# Altium PCB HTBLEBMSALL24S100A_PCB_V0.2_260323.pcbdoc (part 5 of 7) (continued)
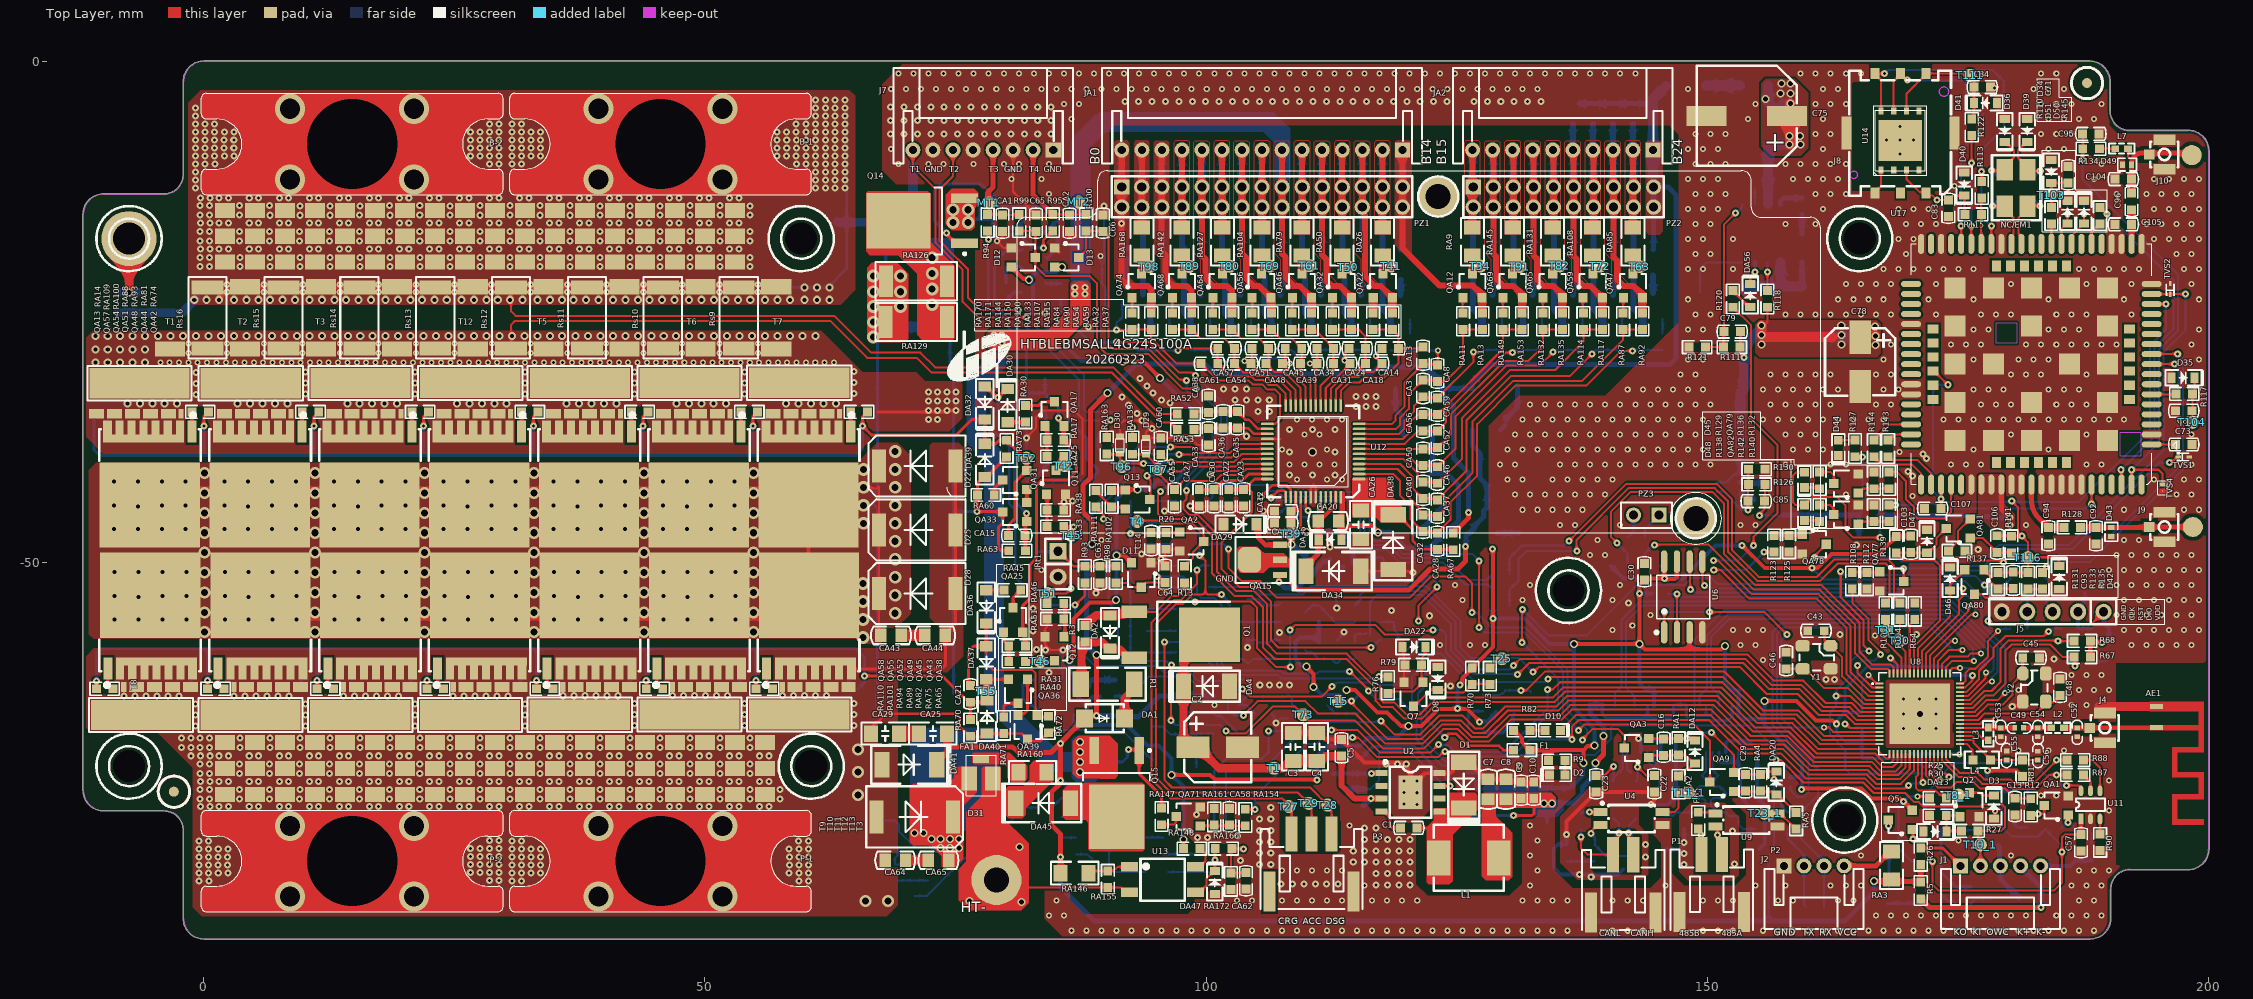
[diagram p0: Top Layer view]
## Nets (pads, with @x,y where several pads share a name; then routed paths per layer and width w, separated by ;. In a path a pad name is that pad's centre, name@x,y a point inside that pad or via, vN(x,y) a via of type N, cw(c..) or ccw(c..) an arc to the next point about the centre after c; other vN are vias at no path point) (continued)
  Bottom Layer w0.2: R14.2@94.096,-45.994 96.952,-45.994 DA7.2@96.991,-45.954
NetDA8_2: DA8.2 R18.2 | length 2.9
  Bottom Layer w0.2: R18.2@94.096,-50.319 96.952,-50.319 DA8.2@96.991,-50.279
NetDA9_2: DA9.2 R22.2 | length 2.9
  Bottom Layer w0.2: R22.2@94.096,-48.156 96.952,-48.156 DA9.2@96.991,-48.116
NetDA10_2: DA10.2 R23.2 | length 2.9
  Bottom Layer w0.2: R23.2@94.096,-52.482 96.952,-52.482 DA10.2@96.991,-52.442
NetDA11_2: DA11.2 R24.2 | length 2.9
  Bottom Layer w0.2: R24.2@94.096,-54.644 96.952,-54.644 DA11.2@96.991,-54.604
NetDA13_2: DA13.2 Q2.1 R27.2 R30.1 | length 4.5
  Top Layer w0.2: Q2.1@175.192,-75.345 175.089,-75.241 R30.1@173.836,-75.241 173.836,-76.805 DA13.2@173.856,-76.825 173.923,-76.759 R27.2@175.341,-76.759
NetDA14_1: DA14.1 R37.2 | length 1.6
  Bottom Layer w0.2: R37.2@181.943,-72.595 181.943,-74.148 DA14.1@181.945,-74.15
NetDA14_2: DA14.2 QA5.3 | length 2
  Bottom Layer w0.2: QA5.3@180.279,-75.727 180.304,-75.727 181.012,-76.436 DA14.2@181.945,-76.436
NetDA15_1: DA15.1 R39.1 R45.2 | length 7.9
  Bottom Layer w0.3: DA15.1@173.297,-76.573 173.297,-80.863 R45.2@174.765,-82.331 R39.1@176.31,-82.331
NetDA15_2: DA15.2 R38.1 | length 2
  Bottom Layer w0.3: DA15.2@173.297,-74.287 173.399,-74.287 174.053,-74.941 R38.1@174.998,-74.941
NetDA17_2: DA17.2 R42.2 | length 5.2
  Bottom Layer w0.3: R42.2@82.874,-61.687 82.173,-61.687 81.734,-62.126 81.734,-63.582 82.404,-64.252 82.686,-64.252 83.468,-65.035 DA17.2@83.468,-65.162
NetDA18_2: DA18.2 Q4.1 R43.1 R52.2 | length 6.1
  Bottom Layer w0.2: R43.1@104.84,-63.389 106.44,-63.389 107.964,-63.389 DA18.2@108.142,-63.211 108.244,-63.211 108.55,-63.518 108.55,-64.102 109.666,-65.218 Q4.1@109.691,-65.218
NetDA19_1: DA19.1 Q5.3 | length 1.3
  Top Layer w0.3: Q5.3@168.047,-75.652 168.08,-75.684 v1(168.08,-76.26)
  Bottom Layer w0.3: v1(168.08,-76.26) 168.08,-76.871 DA19.1@168.119,-76.911
NetDA19_2: DA19.2 R56.1 | length 3.1
  Bottom Layer w0.3: DA19.2@168.119,-79.197 168.127,-79.204 R56.1@168.127,-82.331
NetDA21_2: DA21.2 Q6.1 R75.2 R78.2 | length 5.4
  Bottom Layer w0.2: R75.2@102.427,-59.587 103.679,-59.587 104.078,-59.986 104.18,-59.986 104.281,-59.986 104.68,-59.587 R78.2@105.79,-59.587 107.377,-59.587 Q6.1@107.441,-59.65
NetDA22_2: DA22.2 Q7.1 R76.2 R79.2 | length 7.7
  Top Layer w0.2: R76.2@118.134,-63.056 118.317,-62.874 120.682,-62.874 121.25,-62.306 121.275,-62.306 121.625,-61.956 Q7.1@121.625,-61.931 121.497,-61.804 R79.2@121.497,-60.191 121.556,-60.133 121.556,-59.439 121.878,-59.117 DA22.2@121.878,-58.413
NetDA23_2: DA23.2 Q8.1 R77.2 R80.2 | length 5.1
  Bottom Layer w0.2: R77.2@102.361,-55.904 DA23.2@104.139,-55.904 R80.2@105.79,-55.904 Q8.1@107.441,-55.904
NetDA24_2: DA24.2 RA6.2 | length 1.5
  Bottom Layer w0.3: RA6.2@89.244,-38.65 DA24.2@89.244,-37.151
NetDA25_2: DA25.2 RA8.1 | length 4.8
  Bottom Layer w0.5: RA8.1@129.376,-36.745 RA8.1@129.825,-36.296 ; RA8.1@129.825,-35.712 131.053,-34.484 131.053,-32.602 131.053,-32.325 131.081,-32.353 DA25.2@131.081,-32.602
NetDA28_2: DA28.2 QA11.1 RA12.1 | length 4.4
  Bottom Layer w0.3: DA28.2@82.054,-41.921 82.412,-41.563 82.826,-41.563 83.895,-40.493 84.19,-40.199 84.19,-38.891 QA11.1@84.012,-38.713
NetDA30_1: DA30.1 RA30.1 | length 1.8
  Top Layer w0.3: DA30.1@80.202,-35.983 RA30.1@81.98,-35.983
NetDA31_2: DA31.2 RA43.1 | length 4.9
  Bottom Layer w0.5: DA31.2@118.886,-32.602 118.886,-34.662 119.553,-35.329 119.553,-37.107 RA43.1@119.648,-37.202
NetDA36_1: DA36.1 RA45.1 | length 1.8
  Top Layer w0.3: RA45.1@79.849,-52.746 DA36.1@78.077,-52.746 ; DA36.1@78.077,-52.746 DA36.1@78.067,-52.757 DA36.1@78.077,-52.747
NetDA42_2: DA42.2 Q14.1 RA118.1 RA125.2 | length 24.6
  Top Layer w0.3: v1(74.099,-17.096) 74.175,-17.172 74.175,-17.294 75.037,-18.156 Q14.1@75.912,-18.156
  Bottom Layer w0.3: v1(74.099,-17.096) 74.082,-17.096 72.917,-15.931 72.917,-12.876 73.576,-12.217 77.587,-12.217 79.819,-14.45 80.284,-14.45 ; RA125.2@80.357,-15.627 80.357,-14.523 80.284,-14.45 ; RA118.1@83.629,-17.363 84.795,-16.197 84.808,-16.197 85.166,-15.839 DA42.2@85.166,-15.712 85.166,-15.585 84.384,-14.803 84.384,-14.801 84.033,-14.45 80.284,-14.45
NetDA44_2: DA44.2 RA151.2 | length 3.3
  Bottom Layer w0.2: RA151.2@88.64,-73.605 89.443,-74.408 89.443,-74.923 89.783,-75.264 DA44.2@90.507,-75.264 DA44.2@90.201,-74.957
NetDA45_1: DA45.1 Q15.2
NetDA45_2: DA45.2 RA160.1
NetDA46_2: DA46.2 QA70.1 RA157.2 | length 3
  Bottom Layer w0.2: DA46.2@69.237,-81.761 69.3,-81.697 QA70.1@72.252,-81.697
NetDA48_2: DA48.2 QA70.2 RA165.1 RA169.2 | length 5.2
  Bottom Layer w0.2: DA48.2@69.237,-78.479 69.237,-79.211 68.948,-79.5 68.948,-80.087 RA169.2@68.965,-80.105 70.809,-80.105 RA165.1@70.913,-80 72.043,-80 QA70.2@72.252,-79.792
NetDA49_1: DA49.1 RA167.1 | length 1.8
  Bottom Layer w0.2: RA167.1@87.009,-79.091 88.157,-79.091 88.579,-79.513 DA49.1@88.68,-79.513
NetDA49_2: DA49.2 DA50.2 QA76.3 | length 8.5
  Bottom Layer w0.2: DA49.2@88.68,-77.227 89.986,-77.227 90.309,-77.549 90.309,-80.486 90.674,-80.852 DA50.2@93.913,-80.852
NetDA56_1: DA56.1 R120.2 | length 2.9
  Top Layer w0.25: R120.2@152.228,-22.547 152.867,-23.186 152.875,-23.186 153.906,-24.217 154.187,-24.498 DA56.1@154.289,-24.498
NetF2_2: F2.2 R39.2 | length 2.2
  Bottom Layer w0.3: R39.2@176.292,-83.981 R39.2@176.31,-83.982 176.604,-83.687 176.604,-83.669 176.819,-83.455 F2.2@178.313,-83.455
NetFA1_2: FA1.2 RA160.2 | length 4.4
  Top Layer w0.6: FA1.2@77.551,-69.58 80.076,-69.58 81.287,-70.791 RA160.2@81.287,-70.918
NetL3_2: L3.2 U8.36 | length 3.2
  Top Layer w0.2: U8.36@175.194,-66.877 176.798,-66.877 177.529,-67.608 177.918,-67.608 L3.2@178.029,-67.719
NetL4_2: L4.2 U8.33 | length 2.1
  Top Layer w0.2: U8.33@175.194,-68.077 175.872,-68.077 176.438,-68.642 L4.2@176.438,-69.277
NetL7_2: L7.2 R134.2 | length 1.6
  Top Layer w0.2: R134.2@189.106,-8.704 L7.2@190.7,-8.704
NetLight: R132.1 U17.52 | length 12.3
  Top Layer w0.2: R132.1@168.14,-40.973 168.933,-40.973 169.81,-41.85 169.81,-43.65 170.634,-44.474 170.634,-45.293 170.93,-45.589 173.66,-45.589 174.326,-44.924 U17.52@174.326,-42.568
NetQ3_1: Q3.1 R33.1 R37.1 | length 2.8
  Bottom Layer w0.2: Q3.1@179.177,-70.836 180.343,-70.836 R33.1@180.45,-70.944 R37.1@181.943,-70.944
NetQ4_3: Q4.3 R35.1 R41.2 | length 3.4
  Bottom Layer w0.2: Q4.3@112.104,-64.265 112.129,-64.265 112.917,-65.053 113.501,-65.053 R41.2@115.152,-65.053
NetQ5_1: Q5.1 R49.1 R54.2 | length 4.2
  Top Layer w0.2: Q5.1@170.29,-76.854 170.421,-76.854 170.52,-76.954 v1(170.52,-77.579)
  Bottom Layer w0.2: v1(170.52,-77.579) 170.508,-77.567 170.508,-77.072 170.36,-76.924 R49.1@170.015,-76.579 171.572,-76.579 R54.2@171.584,-76.592 R54.2@171.24,-76.247
NetQ9_1: Q9.1 Q10.3 RA23.2 T38.1 | length 14.1
  Top Layer w0.2: v1(121.18,-55.817) 121.18,-54.288 123.027,-52.442 v1(123.027,-52.424)
  Bottom Layer w0.2: Q9.1@116.041,-49.483 117.622,-49.483 RA23.2@117.622,-49.724 ; RA23.2@117.591,-49.724 119.77,-51.903 121.572,-51.903 122.145,-51.33 T38.1@122.342,-51.33 122.985,-51.973 122.985,-52.383 v1(123.027,-52.424) ; Q10.3@121.172,-54.951 121.18,-54.959 v1(121.18,-55.817)
NetQ9_3: Q9.3 RA18.1 | length 1.7
  Bottom Layer w0.54: RA18.1@112.333,-51.324 112.507,-51.15 112.889,-51.15 113.603,-50.435 Q9.3@113.628,-50.435
NetQ10_1: Q10.1 RA29.1 RA34.2 | length 3.5
  Bottom Layer w0.2: RA34.2@117.439,-55.904 Q10.1@118.759,-55.904 118.759,-56.714 119.146,-57.1 119.146,-57.903 RA29.1@119.113,-57.936
NetQ11_1: Q11.1 RA33.2 RA38.1 | length 3.3
  Top Layer w0.3: Q11.1@83.936,-43.183 84.139,-43.387 RA38.1@84.139,-44.746 RA33.2@84.139,-46.397
NetQ11_3: Q11.3 RA25.1 T42.1 | length 1.7
  Top Layer w0.3: Q11.3@84.888,-40.77 85.096,-40.562 85.096,-40.105 RA25.1@85.79,-39.412
NetQ12_1: Q12.1 RA46.1 RA51.1 | length 3.3
  Top Layer w0.3: Q12.1@85.827,-57.38 85.917,-57.289 85.917,-55.602 RA46.1@85.917,-54.078
NetQ12_3: Q12.3 RA40.1 T46.1 | length 2.8
  Top Layer w0.3: RA40.1@82.11,-59.843 84.824,-59.843 Q12.3@84.874,-59.793
NetQ13_2: Q13.2 RA102.1 RA111.2 | length 3.8
  Top Layer w0.2: RA111.2@89.013,-42.797 89.358,-43.142 89.358,-43.236 RA102.1@90.57,-44.448 91.756,-44.448 Q13.2@91.947,-44.639
NetQ14_2: Q14.2 RA121.2 RA122.2 RA126.2 RA129.2 | length 6.2
  Top Layer w0.3: RA126.2@74.131,-20.946 74.233,-20.946 RA129.2@74.233,-25.442
  Bottom Layer w0.3: RA122.2@73.867,-20.734 74.233,-21.1 RA121.2@74.233,-22.216
  other v6: 72.666,-24.255 72.666,-22.698 72.666,-21.141 72.666,-19.584
NetQ16_1: Q16.1 RA156.2 RA167.2 | length 7.7
  Bottom Layer w0.2: RA167.2@87.009,-77.44 85.747,-77.44 84.508,-76.201 84.508,-74.539 85.181,-73.865 85.181,-73.84 85.531,-73.49 Q16.1@85.556,-73.49 86.897,-73.49 RA156.2@87.019,-73.612
NetQ16_2: Q16.2 RA151.1 RA156.1 | length 3.3
  Bottom Layer w0.2: Q16.2@85.556,-75.395 88.5,-75.395 RA151.1@88.64,-75.256 ; RA156.1@86.887,-75.395 RA156.1@87.019,-75.263
NetQ16_3: Q16.3 QA70.3 RA157.1 | length 17
  Bottom Layer w0.2: RA157.1@70.913,-83.236 72.148,-83.236 74.64,-80.745 QA70.3@74.665,-80.745 74.69,-80.745 76.174,-79.261 76.174,-77.349 76.55,-76.973 79.321,-76.973 81.851,-74.443 Q16.3@83.143,-74.443
NetQA1_3: QA1.3 R6.2 R12.1 | length 2.9
  Top Layer w0.2: R12.1@182.263,-75.103 v1@182.994,-75.103 ; v1(182.994,-75.056) 183.497,-75.056 183.614,-74.939 QA1.3@183.614,-74.211
  Bottom Layer w0.2: v1(182.994,-75.056) 183.613,-75.056 R6.2@183.729,-74.941
NetQA2_3: QA2.3 R13.1 T4.1 | length 11.2
  Top Layer w0.2: T4.1@93.128,-45.893 93.222,-45.799 95.271,-45.799 95.544,-46.072 98.618,-46.072 99.76,-47.214 QA2.3@99.76,-47.895 ; R13.1@97.855,-50.359 98.693,-49.52 98.693,-48.937 QA2.3@99.735,-47.895
NetQA5_1: QA5.1 R38.2 R44.2 | length 2.9
  Bottom Layer w0.2: R38.2@174.998,-76.592 175.086,-76.68 QA5.1@177.866,-76.68
NetQA6_3: QA6.3 R40.1 | length 1.9
  Bottom Layer w0.2: QA6.3@103.164,-67.987 104.078,-67.987 R40.1@104.764,-68.672
NetQA7_1: QA7.1 R42.1 R51.2 | length 2.8
  Bottom Layer w0.3: R42.1@82.874,-63.435 84.309,-63.435 85.648,-63.435 QA7.1@85.668,-63.455
NetQA7_3: QA7.3 R34.1 R36.2 | length 3.3
  Bottom Layer w0.5: QA7.3@88.081,-62.503 88.106,-62.503 88.306,-62.303 88.306,-61.98 88.599,-61.687 R36.2@90.895,-61.687
NetQA8_1: QA8.1 R55.2 R56.2 | length 2.8
  Bottom Layer w0.3: R56.2@167.917,-83.982 QA8.1@170.719,-83.982
NetQA8_3: QA8.3 R45.1 | length 1.8
  Bottom Layer w0.3: QA8.3@173.342,-83.054 173.367,-83.054 173.667,-83.354 173.667,-83.379 174.055,-83.767 174.55,-83.767 R45.1@174.765,-83.982
NetQA10_1: QA10.1 QA11.2 | length 1.9
  Bottom Layer w0.3: QA10.1@83.877,-34.987 84.012,-35.121 QA11.2@84.012,-36.808
NetQA10_3: QA10.3 RA6.1 RA10.2 RA12.2 | length 13.3
  Bottom Layer w0.3: RA12.2@84.19,-41.85 86.374,-41.85 88.36,-41.85 88.733,-41.477 88.733,-41.388 89.154,-40.967 RA6.1@89.243,-40.967 ; QA10.3@86.29,-34.034 86.29,-35.797 88.051,-37.557 88.051,-39.577 RA6.1@89.155,-40.682
NetQA11_3: QA11.3 RA10.1 | length 2.4
  Bottom Layer w0.3: QA11.3@86.29,-37.761 86.374,-37.844 RA10.1@86.374,-40.174
NetQA12_1: QA12.1 RA11.1 | length 1.5
  Top Layer w0.2: QA12.1@125.598,-23.564 125.598,-25.072 RA11.1@125.638,-25.074
NetQA12_3: QA12.3 RA9.2 T34.1 | length 1.8
  Top Layer w0.6: QA12.3@126.558,-21.143 RA9.2@126.558,-19.365
NetQA13_1: QA13.1 RA14.1 | length 2
  Top Layer w0.3: RA14.1@-1.177,-34.951 -1.177,-36.929 QA13.1@-1.171,-36.935
NetQA14_1: QA14.1 RA15.2 | length 2.1
  Bottom Layer w0.3: RA15.2@-1.29,-62.576 -1.29,-60.738 QA14.1@-1.111,-60.559
NetQA15_1: QA15.1 RA18.2 RA24.1 | length 7.2
  Top Layer w0.2: QA15.1@107.228,-51.225 107.256,-51.254 v1(107.256,-51.934)
  Bottom Layer w0.5: v1(107.256,-51.934) 107.866,-52.543 109.082,-52.543 110.225,-51.4 111.757,-49.868 112.138,-49.868 RA18.2@112.333,-49.673
NetQA16_1: QA16.1 RA19.1 | length 1.4
  Bottom Layer w0.2: RA19.1@120.343,-27.121 QA16.1@120.343,-25.716
NetQA16_3: QA16.3 RA16.2 T36.1 | length 1.5
  Bottom Layer w0.6: QA16.3@119.401,-23.293 119.401,-21.79 RA16.2@119.432,-21.821
NetQA17_1: QA17.1 RA17.1 RA25.2 | length 3.1
  Top Layer w0.3: QA17.1@83.936,-36.364 84.139,-36.567 RA17.1@84.139,-37.761 RA25.2@84.139,-39.412
NetQA17_3: QA17.3 RA30.2 | length 3.1
  Top Layer w0.3: RA30.2@81.98,-34.332 83.256,-34.332 83.637,-33.951 QA17.3@84.888,-33.951
NetQA18_1: QA18.1 RA20.1 | length 2.1
  Bottom Layer w0.3: QA18.1@-9.621,-36.935 -9.473,-36.787 -9.473,-35.116 RA20.1@-9.308,-34.951
NetQA19_1: QA19.1 RA21.2 | length 1.8
  Bottom Layer w0.3: RA21.2@9.7,-62.576 QA19.1@9.7,-60.738
NetQA20_1: QA20.1 RA27.1 | length 2.3
  Bottom Layer w0.3: QA20.1@1.369,-36.935 1.504,-36.8 1.504,-35.572 RA27.1@2.125,-34.951
NetQA21_1: QA21.1 RA28.2 | length 1.8
  Bottom Layer w0.3: RA28.2@20.645,-62.576 QA21.1@20.645,-60.738
NetQA22_1: QA22.1 RA32.1 | length 1.5
  Top Layer w0.5: RA32.1@116.66,-25.088 116.665,-25.083 116.665,-23.582 QA22.1@116.67,-23.577
NetQA22_3: QA22.3 RA26.2 T41.1 | length 1.8
  Top Layer w0.6: RA26.2@117.6,-19.373 117.611,-19.385 117.611,-21.152 QA22.3@117.623,-21.164
NetQA23_1: QA23.1 RA35.1 | length 2.1
  Bottom Layer w0.3: QA23.1@12.381,-36.867 12.381,-35.639 RA35.1@13.002,-35.019
NetQA24_1: QA24.1 RA36.2 | length 1.8
  Bottom Layer w0.3: RA36.2@31.59,-62.576 QA24.1@31.59,-60.738
NetQA25_1: QA25.1 RA31.1 RA40.2 | length 3.1
  Top Layer w0.3: QA25.1@79.798,-56.922 79.826,-56.95 79.826,-57.839 RA31.1@80.306,-58.319 RA40.2@80.306,-59.843
NetQA25_3: QA25.3 RA45.2 | length 2.1
  Top Layer w0.3: QA25.3@80.751,-54.509 80.751,-53.495 RA45.2@81.5,-52.746
NetQA26_1: QA26.1 RA44.1 | length 1.4
  Bottom Layer w0.2: RA44.1@116.367,-27.121 QA26.1@116.367,-25.716
NetQA26_3: QA26.3 RA39.2 T44.1 | length 1.7
  Bottom Layer w0.6: QA26.3@115.444,-23.309 115.452,-23.301 115.452,-21.581 RA39.2@115.444,-21.573
NetQA27_1: QA27.1 RA41.1 | length 2.1
  Bottom Layer w0.3: QA27.1@23.327,-36.867 23.327,-35.639 RA41.1@23.947,-35.019
NetQA28_1: QA28.1 RA42.2 | length 1.8
  Bottom Layer w0.3: RA42.2@42.535,-62.576 QA28.1@42.535,-60.738
NetQA29_1: QA29.1 RA48.1 | length 2.1
  Bottom Layer w0.3: QA29.1@34.271,-36.867 34.271,-35.639 RA48.1@34.892,-35.019
NetQA30_1: QA30.1 RA49.2 | length 1.8
  Bottom Layer w0.3: RA49.2@53.48,-62.576 QA30.1@53.48,-60.738
NetQA31_1: QA31.1 QA33.2 | length 1.3
  Top Layer w0.3: QA33.2@82.107,-43.984 QA31.1@82.107,-42.714
NetQA31_3: QA31.3 RA60.2 | length 1.8
  Top Layer w0.3: RA60.2@78.856,-43.247 78.902,-43.201 78.902,-42.528 79.369,-42.061 79.394,-42.061 QA31.3@79.694,-41.761
NetQA32_1: QA32.1 RA54.1 | length 1.5
  Top Layer w0.2: RA54.1@112.597,-25.087 QA32.1@112.597,-23.578
NetQA32_3: QA32.3 RA50.2 T50.1 | length 1.8
  Top Layer w0.6: QA32.3@113.557,-21.158 RA50.2@113.557,-19.38
NetQA34_1: QA34.1 RA55.1 | length 2.1
  Bottom Layer w0.3: QA34.1@45.216,-36.867 45.216,-35.639 RA55.1@45.837,-35.019
NetQA35_1: QA35.1 RA56.2 | length 2.4
  Bottom Layer w0.3: RA56.2@63.623,-62.576 64.342,-61.857 64.342,-60.82 QA35.1@64.604,-60.559
NetQA36_1: QA36.1 QA39.2 | length 4.3
  Top Layer w0.3: QA39.2@81.213,-65.207 81.35,-65.07 81.822,-65.07 82.173,-64.72 QA36.1@82.173,-61.621
NetQA36_3: QA36.3 RA71.1 | length 2.6
  Top Layer w0.2: RA71.1@79.811,-65.398 79.819,-65.39 79.819,-64.331
  Top Layer w0.3: 79.819,-64.331 80.116,-64.034 QA36.3@81.221,-64.034
NetQA37_1: QA37.1 RA64.1 | length 2.1
  Bottom Layer w0.3: QA37.1@56.161,-36.867 56.161,-35.639 RA64.1@56.782,-35.019
NetQA38_1: QA38.1 RA65.2 | length 2.3
  Top Layer w0.2: QA38.1@56.154,-60.559 56.154,-61.993 RA65.2@56.737,-62.576
NetQA40_1: QA40.1 RA68.1 | length 1.4
  Bottom Layer w0.2: RA68.1@112.43,-27.121 QA40.1@112.43,-25.716
NetQA40_3: QA40.3 RA66.2 T54.1 | length 1.7
  Bottom Layer w0.6: QA40.3@111.438,-23.293 RA66.2@111.438,-21.573
NetQA41_1: QA41.1 RA77.1 | length 1.4
  Bottom Layer w0.2: RA77.1@145.544,-27.121 QA41.1@145.544,-25.706
NetQA41_3: QA41.3 RA69.2 T57.1 | length 3.2
  Bottom Layer w0.6: RA69.2@144.577,-21.356 144.577,-23.068 144.599,-23.072 RA69.2@144.599,-21.573
NetQA42_1: QA42.1 RA74.1 | length 2
  Top Layer w0.3: QA42.1@64.543,-36.935 RA74.1@64.543,-34.957
NetQA43_1: QA43.1 RA75.2 | length 2.3
  Top Layer w0.2: QA43.1@45.209,-60.559 45.209,-61.993 RA75.2@45.792,-62.576
NetQA44_1: QA44.1 RA81.1 | length 2
  Top Layer w0.3: QA44.1@53.599,-36.935 RA81.1@53.599,-34.957
NetQA45_1: QA45.1 RA82.2 | length 2.3
  Top Layer w0.2: QA45.1@34.264,-60.559 34.264,-61.993 RA82.2@34.847,-62.576
NetQA46_1: QA46.1 RA84.1 | length 1.5
  Top Layer w0.2: RA84.1@108.579,-25.087 108.579,-23.578 QA46.1@108.611,-23.577
NetQA46_3: QA46.3 RA79.2 T61.1 | length 1.8
  Top Layer w0.6: QA46.3@109.539,-21.158 RA79.2@109.539,-19.38
NetQA47_1: QA47.1 RA87.1 | length 1.5
  Top Layer w0.2: RA87.1@141.608,-25.072 QA47.1@141.608,-23.564
NetQA47_3: QA47.3 RA85.2 T63.1 | length 1.8
  Top Layer w0.6: QA47.3@142.568,-21.143 RA85.2@142.568,-19.365
NetQA48_1: QA48.1 RA88.1 | length 2
  Top Layer w0.3: QA48.1@42.654,-36.935 RA88.1@42.654,-34.957
NetQA49_1: QA49.1 RA89.2 | length 2.3
  Top Layer w0.2: QA49.1@23.319,-60.559 23.319,-61.993 RA89.2@23.902,-62.576
NetQA50_1: QA50.1 RA95.1 | length 1.4
  Bottom Layer w0.2: RA95.1@108.422,-27.121 QA50.1@108.422,-25.716
NetQA50_3: QA50.3 RA91.2 T66.1 | length 2
  Bottom Layer w0.6: RA91.2@107.433,-21.573 107.433,-22.144 107.433,-23.284 QA50.3@107.441,-23.293 ; RA91.2@107.516,-22.144 RA91.2@107.741,-21.919
NetQA51_1: QA51.1 RA93.1 | length 2
  Top Layer w0.3: QA51.1@31.709,-36.935 RA93.1@31.709,-34.957
NetQA52_1: QA52.1 RA94.2 | length 2.3
  Top Layer w0.2: QA52.1@12.374,-60.559 12.374,-61.993 RA94.2@12.957,-62.576
NetQA53_1: QA53.1 RA98.1 | length 1.4
  Bottom Layer w0.2: RA98.1@141.477,-27.121 141.477,-25.785 QA53.1@141.556,-25.706
NetQA53_3: QA53.3 RA96.2 T67.1 | length 1.7
  Bottom Layer w0.6: QA53.3@140.589,-23.293 RA96.2@140.589,-21.573
NetQA54_1: QA54.1 RA100.1 | length 2
  Top Layer w0.3: QA54.1@20.764,-36.935 RA100.1@20.764,-34.957
NetQA55_1: QA55.1 RA101.2 | length 2.3
  Top Layer w0.2: QA55.1@1.429,-60.559 1.429,-61.993 RA101.2@2.012,-62.576
NetQA56_1: QA56.1 RA107.1 | length 1.5
  Top Layer w0.2: RA107.1@104.606,-25.087 QA56.1@104.606,-23.578
NetQA56_3: QA56.3 RA104.2 T69.1 | length 1.8
  Top Layer w0.6: QA56.3@105.54,-21.164 105.567,-21.158 RA104.2@105.567,-19.38
NetQA57_1: QA57.1 RA109.1 | length 2
  Top Layer w0.3: QA57.1@9.819,-36.935 RA109.1@9.819,-34.957
NetQA58_1: QA58.1 RA110.2 | length 2.2
  Top Layer w0.2: QA58.1@-9.561,-60.559 -9.561,-62.079 RA110.2@-9.064,-62.576
NetQA59_1: QA59.1 RA114.1 | length 1.6
  Top Layer w0.2: QA59.1@137.619,-23.562 137.577,-23.564 137.577,-25.072 RA114.1@137.631,-25.074
NetQA59_3: QA59.3 RA108.2 T72.1 | length 1.8
  Top Layer w0.6: RA108.2@138.537,-19.365 138.537,-21.143 QA59.3@138.571,-21.149
NetQA60_1: QA60.1 RA106.1 RA112.2 | length 3.4
  Bottom Layer w0.3: RA112.2@80.024,-22.165 RA106.1@80.024,-20.504 81.551,-20.504 QA60.1@81.675,-20.628
NetQA60_3: QA60.3 RA118.2 T76.1 | length 2.8
  Bottom Layer w0.3: QA60.3@84.088,-19.622 84.119,-19.591 84.173,-19.591 85.243,-18.521 RA118.2@85.243,-17.31
NetQA61_1: QA61.1 RA103.2 | length 1.6
  Bottom Layer w0.3: QA61.1@83.961,-22.063 84.063,-22.165 RA103.2@85.536,-22.165
NetQA61_3: QA61.3 RA112.1 | length 1.9
  Bottom Layer w0.3: RA112.1@80.024,-23.816 80.799,-23.041 81.523,-23.041 QA61.3@81.548,-23.016
NetQA62_1: QA62.1 RA119.1 | length 1.4
  Bottom Layer w0.2: RA119.1@104.454,-27.121 QA62.1@104.454,-25.716
NetQA62_3: QA62.3 RA116.2 T75.1 | length 1.7
  Bottom Layer w0.6: QA62.3@103.427,-23.293 RA116.2@103.427,-21.573
NetQA63_1: QA63.1 RA123.1 | length 1.4
  Bottom Layer w0.2: RA123.1@137.531,-27.121 QA63.1@137.531,-25.691
NetQA63_3: QA63.3 RA120.2 T78.1 | length 1.7
  Bottom Layer w0.6: QA63.3@136.583,-23.293 RA120.2@136.583,-21.573
NetQA64_1: QA64.1 RA130.1 | length 1.5
  Top Layer w0.2: RA130.1@100.649,-25.087 QA64.1@100.649,-23.578
NetQA64_3: QA64.3 RA127.2 T80.1 | length 1.8
  Top Layer w0.6: QA64.3@101.609,-21.158 RA127.2@101.609,-19.38
NetQA65_1: QA65.1 RA132.1 | length 1.5
  Top Layer w0.2: RA132.1@133.604,-25.072 QA65.1@133.604,-23.564
NetQA65_3: QA65.3 RA131.2 T82.1 | length 1.8
  Top Layer w0.6: QA65.3@134.564,-21.143 RA131.2@134.564,-19.365
NetQA66_1: QA66.1 RA136.1 | length 1.4
  Bottom Layer w0.2: RA136.1@100.291,-27.121 100.374,-27.038 QA66.1@100.374,-25.706
NetQA66_3: QA66.3 RA134.2 T84.1 | length 1.7
  Bottom Layer w0.6: QA66.3@99.422,-23.293 RA134.2@99.421,-21.573
NetQA67_1: QA67.1 RA138.1 | length 1.6
  Bottom Layer w0.2: RA138.1@133.525,-27.286 QA67.1@133.525,-25.706
NetQA67_3: QA67.3 RA137.2 T86.1 | length 1.7
  Bottom Layer w0.6: QA67.3@132.578,-23.293 RA137.2@132.577,-21.573
NetQA68_1: QA68.1 RA144.1 | length 1.5
  Top Layer w0.2: QA68.1@96.618,-23.578 96.618,-25.087 RA144.1@96.652,-25.088
NetQA68_3: QA68.3 RA142.2 T89.1 | length 1.8
  Top Layer w0.6: QA68.3@97.578,-21.158 RA142.2@97.578,-19.38
NetQA69_1: QA69.1 RA149.1 | length 1.5
  Top Layer w0.2: RA149.1@129.601,-25.072 129.601,-23.564 QA69.1@129.633,-23.562
NetQA69_3: QA69.3 RA145.2 T91.1 | length 1.8
  Top Layer w0.6: QA69.3@130.561,-21.143 RA145.2@130.561,-19.365
NetQA71_3: QA71.3 RA147.2 | length 2.1
  Top Layer w0.2: RA147.2@95.564,-76.145 96.761,-76.145 96.979,-75.927 96.979,-75.324 QA71.3@96.999,-75.304
NetQA72_1: QA72.1 RA158.1 | length 1.4
  Bottom Layer w0.2: RA158.1@96.354,-27.121 96.364,-27.11 QA72.1@96.364,-25.706
NetQA72_3: QA72.3 RA152.2 T93.1 | length 1.7
  Bottom Layer w0.6: QA72.3@95.416,-23.293 95.416,-21.803 95.42,-21.799 RA152.2@95.42,-21.573
NetQA73_1: QA73.1 RA162.1 | length 1.4
  Bottom Layer w0.2: RA162.1@129.519,-27.121 QA73.1@129.519,-25.706
NetQA73_3: QA73.3 RA159.2 T95.1 | length 1.9
  Bottom Layer w0.6: QA73.3@128.574,-23.284 128.57,-23.28 128.57,-21.578 RA159.2@128.574,-21.573 RA159.2@128.689,-21.687
NetQA74_1: QA74.1 RA170.1 | length 1.5
  Top Layer w0.2: RA170.1@92.619,-25.088 QA74.1@92.619,-23.579
  Top Layer w0.6: QA74.1@92.62,-23.578 QA74.1@92.621,-23.577
NetQA74_3: QA74.3 RA168.2 T98.1 | length 1.8
  Top Layer w0.6: QA74.3@93.574,-21.164 93.58,-21.158 93.58,-19.38 RA168.2@93.587,-19.373
NetQA75_1: QA75.1 RA165.2 | length 4.9
  Bottom Layer w0.2: QA75.1@67.52,-75.727 68.949,-75.727 69.341,-76.12 69.341,-76.777 RA165.2@70.913,-78.349
NetQA76_1: QA76.1 RA173.2 RA175.2 | length 3
  Bottom Layer w0.2: QA76.1@92.722,-77.397 95.655,-77.397 RA173.2@95.709,-77.45
NetQA77_1: QA77.1 R108.2 R112.2 | length 2.8
  Top Layer w0.2: R108.2@164.461,-50.939 167.083,-50.939 QA77.1@167.205,-50.818
NetQA78_1: QA78.1 R123.2 R125.2 | length 2.8
  Top Layer w0.2: R123.2@156.659,-47.297 159.384,-47.297 QA78.1@159.473,-47.209
NetQA79_1: QA79.1 R132.2 R136.2 | length 3.3
  Top Layer w0.2: QA79.1@165.038,-43.042 165.063,-43.042 165.48,-42.624 R132.2@168.14,-42.624
NetQA79_3: QA79.3 R129.2 | length 2.4
  Top Layer w0.2: R129.2@161.205,-40.973 162.311,-40.973 162.507,-41.169 162.625,-41.286 QA79.3@162.625,-42.089
NetQA80_3: QA80.3 R133.2 R135.1 | length 7.3
  Top Layer w0.2: QA80.3@176.633,-53.134 177.375,-53.134 177.74,-53.499 181.131,-53.499 R133.2@181.986,-52.643 R135.1@183.456,-52.643
NetQA81_2: QA81.2 R137.1 | length 4.1
  Top Layer w0.2: R137.1@174.075,-48.829 175.03,-47.874 175.03,-46.829 176.205,-45.654 QA81.2@176.23,-45.654
NetQA82_1: QA82.1 R140.2 R142.2 | length 3.2
  Top Layer w0.2: QA82.1@165.038,-46.144 165.278,-45.904 R140.2@168.14,-45.904
NetQA82_3: QA82.3 R138.2 | length 2.4
  Top Layer w0.2: R138.2@161.205,-44.253 162.284,-44.253 162.59,-44.559 ; 162.455,-44.424 162.59,-44.559 ; QA82.3@162.625,-45.192 162.59,-45.157 162.59,-44.559
NetR4_1: R4.1 R15.2 U2.7 | length 15.9
  Top Layer w0.2: U2.7@123.296,-72.269 123.308,-72.281 v1(124.329,-72.281)
  Bottom Layer w0.2: R4.1@115.686,-72.586 116.384,-72.586 117.235,-71.735 117.235,-69.023 117.477,-68.781 119.348,-68.781 119.351,-68.779 120.237,-68.779 123.74,-72.281 v1(124.329,-72.281)
  Bottom Layer w0.6: R15.2@114.12,-72.624 114.177,-72.567 115.667,-72.567 R4.1@115.686,-72.586
NetR29_1: R29.1 U4.1 | length 2
  Top Layer w0.2: v1(138.25,-74.89) U4.1@139.341,-74.888 U4.1@139.341,-74.888
  Bottom Layer w0.2: R29.1@137.39,-75.069 137.569,-74.89 v1(138.25,-74.89)
NetR46_2: R46.2 U5.3 | length 3.3
  Bottom Layer w0.2: R46.2@159.34,-74.905 161.064,-73.181 U5.3@161.064,-72.319
NetR50_2: R50.2 U5.6 | length 5.5
  Bottom Layer w0.2: R50.2@157.996,-74.905 157.39,-74.299 157.39,-70.65 157.619,-70.42 158.269,-70.42 U5.6@158.27,-70.419
NetR65_1: R65.1 U9.1 | length 1.8
  Top Layer w0.2: R65.1@149.091,-74.899 150.656,-74.899 U9.1@150.795,-75.038
NetR87_1: R87.1 U11.5 | length 1.9
  Top Layer w0.2: R87.1@187.53,-71.169 188.226,-71.866 U11.5@188.226,-72.762
NetR88_1: R88.1 U11.4 | length 4.3
  Top Layer w0.2: R88.1@187.53,-69.686 188.388,-69.686 189.176,-70.475 U11.4@189.176,-72.762
NetR90_1: R90.1 U11.3 | length 1.5
  Top Layer w0.2: R90.1@189.176,-77.068 U11.3@189.176,-75.556
NetR92_2: R92.2 R101.1 R105.1 | length 3.3
  Bottom Layer w0.25: 126.135,-66.457 126.153,-66.439 R92.2@126.153,-64.819 126.153,-64.913 126.171,-64.931 126.283,-64.819 R101.1@127.614,-64.819
NetR102_2: R102.2 R104.2 RA61.2 | length 54.8
  Top Layer w0.2: v1(136.22,-47.83) 141.92,-42.13 150.93,-42.13 152.47,-43.67 152.47,-48.759 155.12,-51.409 160.94,-51.409 162.69,-49.66 168.011,-49.66 168.61,-50.259 168.61,-53.427 R104.2@169.214,-54.031
  Bottom Layer w0.2: RA61.2@130.251,-51.126 R102.2@130.251,-49.559 131.531,-48.28 135.751,-48.28 136.201,-47.83 v1(136.22,-47.83)
NetR103_2: R103.2 R106.2 RA62.2 | length 57
  Top Layer w0.2: v1(136.98,-48.82) 136.96,-48.8 136.96,-47.74 142.13,-42.57 150.75,-42.57 152.06,-43.88 152.06,-48.919 154.96,-51.819 161.26,-51.819 163,-50.079 167.79,-50.079 168.16,-50.449 168.16,-53.549 168.126,-53.584 168.126,-53.686 R106.2@167.781,-54.031
  Bottom Layer w0.2: R103.2@130.251,-54.259 RA62.2@130.251,-52.693 131.16,-51.784 131.16,-49.63 131.97,-48.82 v1(136.98,-48.82)
NetR107_2: R107.2 U15.4 | length 2.6
  Bottom Layer w0.5: U15.4@157.279,-14.249 157.279,-13.949 157.598,-13.63 R107.2@159.454,-13.63
NetR108_1: R108.1 U8.2 | length 14
  Top Layer w0.2: R108.1@164.461,-52.643 164.461,-53.98 166.06,-55.579 166.06,-57.7 167.195,-58.835 167.195,-59.064 v1(167.29,-59.159) ; v1(164.97,-60.27) 164.97,-60.97 166.477,-62.477 U8.2@167.194,-62.477
  Bottom Layer w0.2: v1(164.97,-60.27) 164.97,-60.25 165.48,-59.74 166.71,-59.74 v1(167.29,-59.159)
NetR114_2: R114.2 U15.2 | length 1.6
  Bottom Layer w0.2: U15.2@154.739,-14.249 154.749,-14.239 R114.2@154.749,-12.647